# Altium PCB PiMX8MPIO_r0.1.PcbDoc (part 5 of 5)
Units mm, origin at the board's own origin, x right, y up, seen from the top; angles counter-clockwise.
Board outline 55 x 40 mm, 8 copper layers (L1 Top, L2 GND, L3 SIG, L4 GND, L5 (PWR), L6 SIG, L7 GND, L8 SIG), stack 1.624 mm thick; 131 components, 147 nets, 777 pads, 700 vias.
Unrouted connection lines stored in the file: 1.
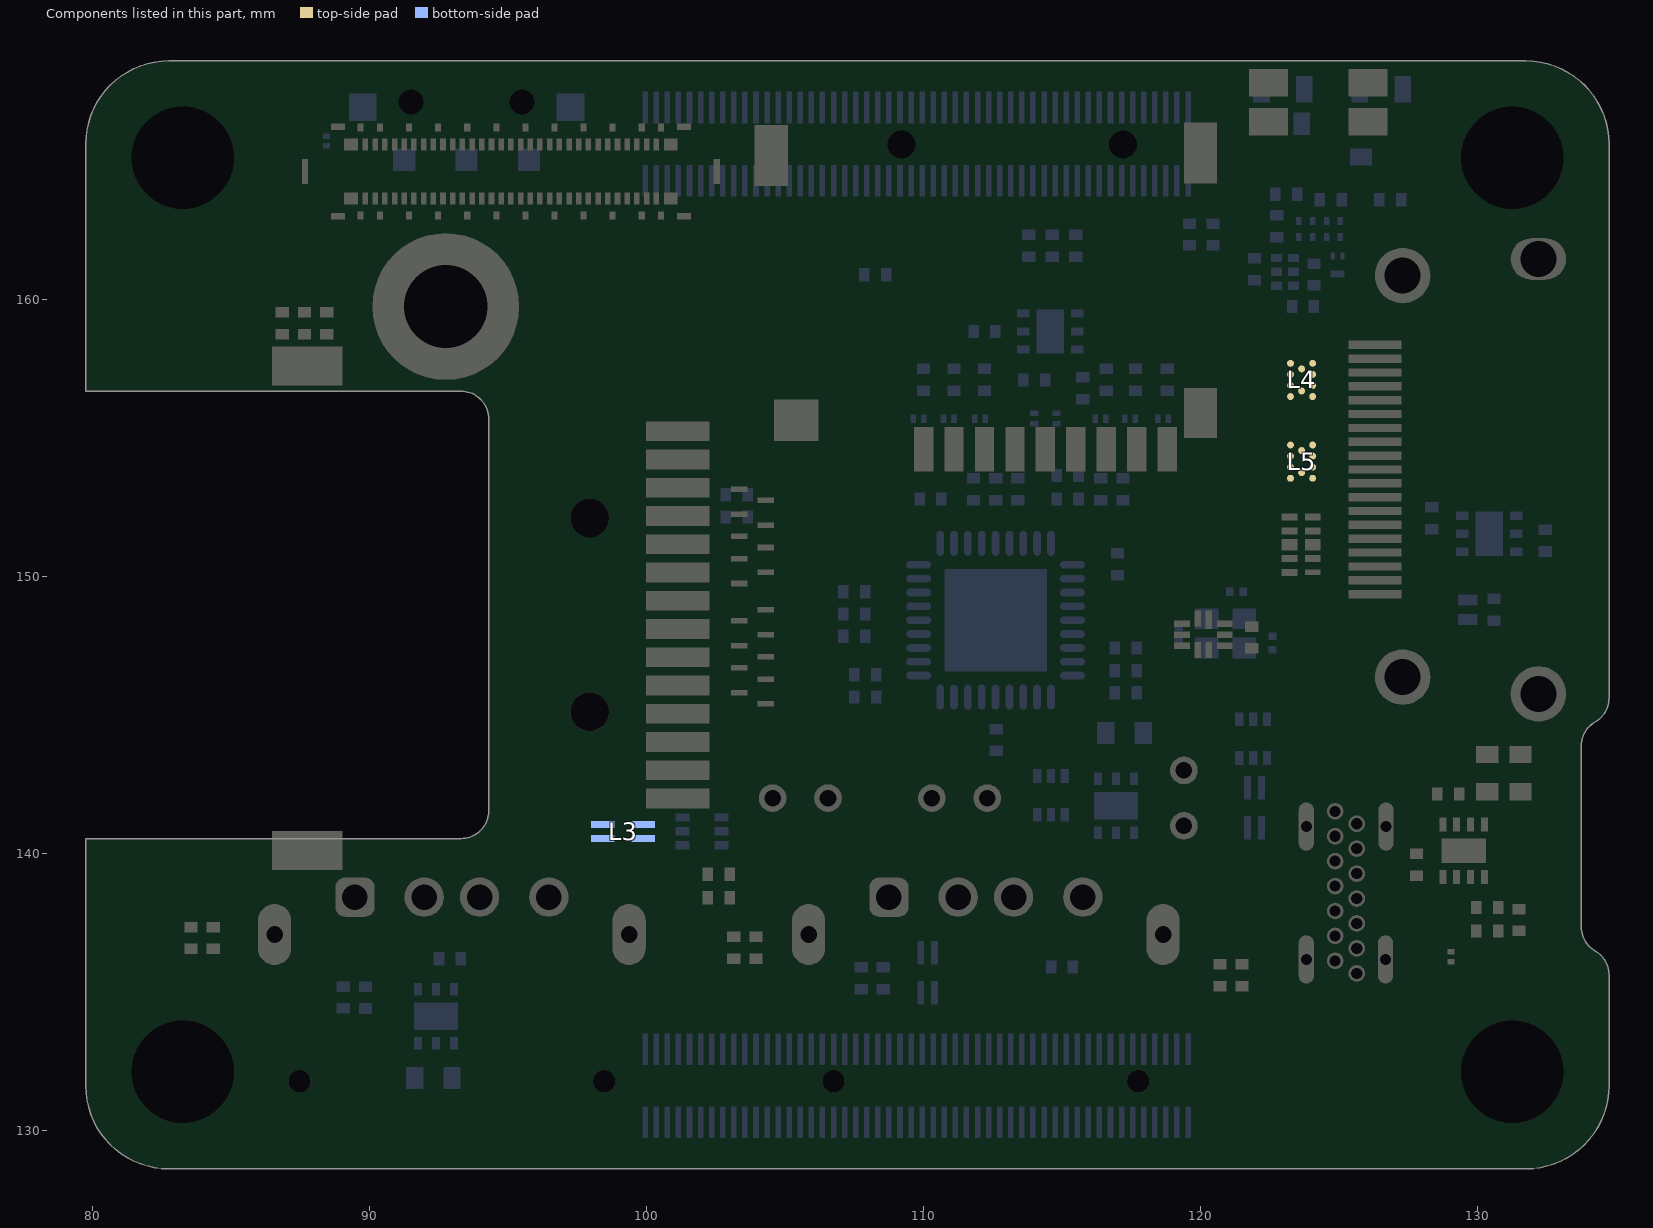
[diagram p11: the components of this part, seen from the top]

## Other copper (continued)
L3 SIG:
  text ".Layer_Name" at 75.177,31.05 h2.5
L6 SIG:
  text ".Layer_Name" at 75.177,31.05 h2.5
L7 GND:
  text ".Layer_Name" at 74.969,31.05 h2.5
L4 GND:
  text ".Layer_Name" at 74.969,31.05 h2.5
L5 (PWR):
  text ".Layer_Name" at 73.095,31.05 h2.5
L8 SIG:
  text ".Layer_Name" at 75.177,31.05 h2.5

## Silkscreen, mask and mechanical layers (free items; w line width, h text height)
Board Layer Stack Top Overlay:
  drawing of 21 lines, arcs and shapes, not listed
  text "PiMX8MPIO" at 112.261,150.768 h1
  text "REV0.1" at 112.261,149.767 h1
  text "20240922" at 112.261,148.768 h1
  text "OV Tech GmbH" at 112.261,147.767 h1
Top Paste:
  text ".Layer_Name" at 71.428,31.467 h2.5
Bottom Paste:
  text ".Layer_Name" at 68.096,31.05 h2.5
Top Solder:
  text ".Layer_Name" at 70.387,31.467 h2.5
Bottom Solder:
  text ".Layer_Name" at 67.055,31.05 h2.5
Outline:
  lines w0.1: 123.95,168.613 123.4,168.613 108.838,168.613 104.901,168.613 82.75,168.613 ccw(c82.751,165.611) 79.75,165.613 79.75,156.688 93.3,156.688 cw(c93.3,155.688) 93.961,156.438 cw(c93.3,155.688) 94.3,155.688 94.3,141.538 cw(c93.3,141.538) 93.961,140.788 cw(c93.3,141.538) 93.3,140.538 79.75,140.538 79.75,131.613 ccw(c82.751,131.614) 82.75,128.613 86.42,128.613 99.52,128.613 105.7,128.613 118.8,128.613 123.67,128.613 126.83,128.613 131.75,128.613 ccw(c131.749,131.614) 134.75,131.613 134.75,135.613 ccw(c133.75,135.613) 134.25,136.479 cw(c134.75,137.345) 133.75,137.345 133.75,143.88 cw(c134.75,143.88) 134.25,144.746 ccw(c133.75,145.613) 134.75,145.613 134.75,146.113 134.75,161.113 134.75,165.613 ccw(c131.749,165.611) 131.75,168.613 125.1,168.613 124.55,168.613 ; 124,168.613 124.5,168.613
  text ".Layer_Name" at 73.994,31.05 h2.5
Drill Drawing:
  drawing of 312 lines, arcs and shapes, not listed
  text "Symbol" at 38.476,121.55 h0.92
  text "Count" at 45.038,121.55 h0.92
  text "Hole Size" at 52.779,121.55 h0.92
  text "Plated" at 67.576,121.55 h0.92
  text "Hole Type" at 74.138,121.55 h0.92
  text "Drill Layer Pair" at 83.624,121.55 h0.92
  text "Via/Pad" at 98.961,121.55 h0.92
  text "Pad Shape" at 106.6,121.55 h0.92
  text "Template" at 116.24,121.55 h0.92
  text "Hole Tolerance (+)" at 131.038,121.55 h0.92
  text "Hole Length" at 148.222,121.55 h0.92
  text "Routed Path Length" at 162.249,121.55 h0.92
  text "700" at 45.038,119.625 h0.77
  text "0.200mm (7.87mil)" at 52.779,119.625 h0.77
  text "PTH" at 67.576,119.625 h0.77
  text "Round" at 74.138,119.625 h0.77
  text "L1 Top - L8 SIG" at 83.624,119.625 h0.77
  text "Via" at 98.961,119.625 h0.77
  text "Rounded" at 106.6,119.625 h0.77
  text "(Mixed)" at 116.24,119.625 h0.77
  text "-" at 148.222,119.625 h0.77
  text "-" at 162.249,119.625 h0.77
  text "14" at 45.038,117.7 h0.77
  text "0.400mm (15.75mil)" at 52.779,117.7 h0.77
  text "PTH" at 67.576,117.7 h0.77
  text "Round" at 74.138,117.7 h0.77
  text "L1 Top - L8 SIG" at 83.624,117.7 h0.77
  text "Pad" at 98.961,117.7 h0.77
  text "Rounded" at 106.6,117.7 h0.77
  text "c60h40" at 116.24,117.7 h0.77
  text "-" at 148.222,117.7 h0.77
  text "-" at 162.249,117.7 h0.77
  text "8" at 45.038,115.775 h0.77
  text "0.920mm (36.22mil)" at 52.779,115.775 h0.77
  text "PTH" at 67.576,115.775 h0.77
  text "Round" at 74.138,115.775 h0.77
  text "L1 Top - L8 SIG" at 83.624,115.775 h0.77
  text "Pad" at 98.961,115.775 h0.77
  text "(Mixed)" at 106.6,115.775 h0.77
  text "(Mixed)" at 116.24,115.775 h0.77
  text "-" at 148.222,115.775 h0.77
  text "-" at 162.249,115.775 h0.77
  text "6" at 45.038,113.85 h0.77
  text "0.600mm (23.62mil)" at 52.779,113.85 h0.77
  text "PTH" at 67.576,113.85 h0.77
  text "Round" at 74.138,113.85 h0.77
  text "L1 Top - L8 SIG" at 83.624,113.85 h0.77
  text "Pad" at 98.961,113.85 h0.77
  text "Rounded" at 106.6,113.85 h0.77
  text "c100h60" at 116.24,113.85 h0.77
  text "-" at 148.222,113.85 h0.77
  text "-" at 162.249,113.85 h0.77
  text "4" at 45.038,111.925 h0.77
  text "0.400mm (15.75mil)" at 52.779,111.925 h0.77
  text "PTH" at 67.576,111.925 h0.77
  text "Slot" at 74.138,111.925 h0.77
  text "L1 Top - L8 SIG" at 83.624,111.925 h0.77
  text "Pad" at 98.961,111.925 h0.77
  text "Rounded" at 106.6,111.925 h0.77
  text "r175_55h40_160r28" at 116.24,111.925 h0.77
  text "1.600mm (62.99mil)" at 148.222,111.925 h0.77
  text "1.200mm (47.24mil)" at 162.249,111.925 h0.77
  text "4" at 45.038,110 h0.77
  text "0.600mm (23.62mil)" at 52.779,110 h0.77
  text "PTH" at 67.576,110 h0.77
  text "Slot" at 74.138,110 h0.77
  text "L1 Top - L8 SIG" at 83.624,110 h0.77
  text "Pad" at 98.961,110 h0.77
  text "Rounded" at 106.6,110 h0.77
  text "r120_220h60_160r60" at 116.24,110 h0.77
  text "1.600mm (62.99mil)" at 148.222,110 h0.77
  text "1.000mm (39.37mil)" at 162.249,110 h0.77
  text "4" at 45.038,108.075 h0.77
  text "0.800mm (31.50mil)" at 52.779,108.075 h0.77
  text "NPTH" at 67.576,108.075 h0.77
  text "Round" at 74.138,108.075 h0.77
  text "L1 Top - L8 SIG" at 83.624,108.075 h0.77
  text "Pad" at 98.961,108.075 h0.77
  text "Rounded" at 106.6,108.075 h0.77
  text "c80hn80" at 116.24,108.075 h0.77
  text "-" at 148.222,108.075 h0.77
  text "-" at 162.249,108.075 h0.77
  text "4" at 45.038,106.15 h0.77
  text "1.300mm (51.18mil)" at 52.779,106.15 h0.77
  text "PTH" at 67.576,106.15 h0.77
  text "Round" at 74.138,106.15 h0.77
  text "L1 Top - L8 SIG" at 83.624,106.15 h0.77
  text "Pad" at 98.961,106.15 h0.77
  text "Rounded" at 106.6,106.15 h0.77
  text "(Mixed)" at 116.24,106.15 h0.77
  text "-" at 148.222,106.15 h0.77
  text "-" at 162.249,106.15 h0.77
  text "4" at 45.038,104.225 h0.77
  text "3.700mm (145.67mil)" at 52.779,104.225 h0.77
  text "NPTH" at 67.576,104.225 h0.77
  text "Round" at 74.138,104.225 h0.77
  text "L1 Top - L8 SIG" at 83.624,104.225 h0.77
  text "Pad" at 98.961,104.225 h0.77
  text "Rounded" at 106.6,104.225 h0.77
  text "(Mixed)" at 116.24,104.225 h0.77
  text "-" at 148.222,104.225 h0.77
  text "-" at 162.249,104.225 h0.77
  text "2" at 45.038,102.3 h0.77
  text "0.900mm (35.43mil)" at 52.779,102.3 h0.77
  text "NPTH" at 67.576,102.3 h0.77
  text "Round" at 74.138,102.3 h0.77
  text "L1 Top - L8 SIG" at 83.624,102.3 h0.77
  text "Pad" at 98.961,102.3 h0.77
  text "Rounded" at 106.6,102.3 h0.77
  text "c0hn90(Tol10)" at 116.24,102.3 h0.77
  text "0.100mm (3.94mil)" at 131.038,102.3 h0.77
  text "-" at 148.222,102.3 h0.77
  text "-" at 162.249,102.3 h0.77
  text "2" at 45.038,100.375 h0.77
  text "1.000mm (39.37mil)" at 52.779,100.375 h0.77
  text "PTH" at 67.576,100.375 h0.77
  text "Round" at 74.138,100.375 h0.77
  text "L1 Top - L8 SIG" at 83.624,100.375 h0.77
  text "Pad" at 98.961,100.375 h0.77
  text "Rounded" at 106.6,100.375 h0.77
  text "c0h100" at 116.24,100.375 h0.77
  text "-" at 148.222,100.375 h0.77
  text "-" at 162.249,100.375 h0.77
  text "2" at 45.038,98.45 h0.77
  text "1.400mm (55.12mil)" at 52.779,98.45 h0.77
  text "NPTH" at 67.576,98.45 h0.77
  text "Round" at 74.138,98.45 h0.77
  text "L1 Top - L8 SIG" at 83.624,98.45 h0.77
  text "Pad" at 98.961,98.45 h0.77
  text "Rounded" at 106.6,98.45 h0.77
  text "c140hn140" at 116.24,98.45 h0.77
  text "-" at 148.222,98.45 h0.77
  text "-" at 162.249,98.45 h0.77
  text "1" at 45.038,96.525 h0.77
  text "3.000mm (118.11mil)" at 52.779,96.525 h0.77
  text "PTH" at 67.576,96.525 h0.77
  text "Round" at 74.138,96.525 h0.77
  text "L1 Top - L8 SIG" at 83.624,96.525 h0.77
  text "Pad" at 98.961,96.525 h0.77
  text "Rounded" at 106.6,96.525 h0.77
  text "c530h300" at 116.24,96.525 h0.77
  text "-" at 148.222,96.525 h0.77
  text "-" at 162.249,96.525 h0.77
  text "755 Total" at 45.038,94.6 h0.77
  text "Slot definitions :" at 38.476,92.696 h0.77
  text "Routed Path Length" at 51.79,92.696 h0.77
  text "= Calculated from tool start centre position to tool end centre position." at 66.002,92.696 h0.77
  text "Hole Length" at 51.79,91.37 h0.77
  text "= Routed Path Length + Tool Size = Slot length as defined in the PCB layout" at 60.742,91.37 h0.77
  text "Symbol" at -6.442,-50.056 h1.5
  text "Count" at 3.911,-50.056 h1.5
  text "Hole Size" at 16.291,-50.056 h1.5
  text "Plated" at 40.125,-50.056 h1.5
  text "Hole Type" at 50.478,-50.056 h1.5
  text "Drill Layer Pair" at 65.579,-50.056 h1.5
  text "Via/Pad" at 90.176,-50.056 h1.5
  text "Pad Shape" at 102.278,-50.056 h1.5
  text "Template" at 117.629,-50.056 h1.5
  text "Hole Tolerance (+)" at 141.464,-50.056 h1.5
  text "Hole Length" at 169.061,-50.056 h1.5
  text "Routed Path Length" at 191.646,-50.056 h1.5
  text "700" at 3.911,-53.181 h1.25
  text "0.200mm (7.87mil)" at 16.291,-53.181 h1.25
  text "PTH" at 40.125,-53.181 h1.25
  text "Round" at 50.478,-53.181 h1.25
  text "L1 Top - L8 SIG" at 65.579,-53.181 h1.25
  text "Via" at 90.176,-53.181 h1.25
  text "Rounded" at 102.278,-53.181 h1.25
  text "(Mixed)" at 117.629,-53.181 h1.25
  text "-" at 169.061,-53.181 h1.25
  text "-" at 191.646,-53.181 h1.25
  text "14" at 3.911,-56.306 h1.25
  text "0.400mm (15.75mil)" at 16.291,-56.306 h1.25
  text "PTH" at 40.125,-56.306 h1.25
  text "Round" at 50.478,-56.306 h1.25
  text "L1 Top - L8 SIG" at 65.579,-56.306 h1.25
  text "Pad" at 90.176,-56.306 h1.25
  text "Rounded" at 102.278,-56.306 h1.25
  text "c60h40" at 117.629,-56.306 h1.25
  text "-" at 169.061,-56.306 h1.25
  text "-" at 191.646,-56.306 h1.25
  text "4" at 3.911,-59.431 h1.25
  text "0.400mm (15.75mil)" at 16.291,-59.431 h1.25
  text "PTH" at 40.125,-59.431 h1.25
  text "Slot" at 50.478,-59.431 h1.25
  text "L1 Top - L8 SIG" at 65.579,-59.431 h1.25
  text "Pad" at 90.176,-59.431 h1.25
  text "Rounded" at 102.278,-59.431 h1.25
  text "r175_55h40_160r28" at 117.629,-59.431 h1.25
  text "1.600mm (62.99mil)" at 169.061,-59.431 h1.25
  text "1.200mm (47.24mil)" at 191.646,-59.431 h1.25
  text "6" at 3.911,-62.556 h1.25
  text "0.600mm (23.62mil)" at 16.291,-62.556 h1.25
  text "PTH" at 40.125,-62.556 h1.25
  text "Round" at 50.478,-62.556 h1.25
  text "L1 Top - L8 SIG" at 65.579,-62.556 h1.25
  text "Pad" at 90.176,-62.556 h1.25
  text "Rounded" at 102.278,-62.556 h1.25
  text "c100h60" at 117.629,-62.556 h1.25
  text "-" at 169.061,-62.556 h1.25
  text "-" at 191.646,-62.556 h1.25
  text "4" at 3.911,-65.681 h1.25
  text "0.600mm (23.62mil)" at 16.291,-65.681 h1.25
  text "PTH" at 40.125,-65.681 h1.25
  text "Slot" at 50.478,-65.681 h1.25
  text "L1 Top - L8 SIG" at 65.579,-65.681 h1.25
  text "Pad" at 90.176,-65.681 h1.25
  text "Rounded" at 102.278,-65.681 h1.25
  text "r120_220h60_160r60" at 117.629,-65.681 h1.25
  text "1.600mm (62.99mil)" at 169.061,-65.681 h1.25
  text "1.000mm (39.37mil)" at 191.646,-65.681 h1.25
  text "4" at 3.911,-68.806 h1.25
  text "0.800mm (31.50mil)" at 16.291,-68.806 h1.25
  text "NPTH" at 40.125,-68.806 h1.25
  text "Round" at 50.478,-68.806 h1.25
  text "L1 Top - L8 SIG" at 65.579,-68.806 h1.25
  text "Pad" at 90.176,-68.806 h1.25
  text "Rounded" at 102.278,-68.806 h1.25
  text "c80hn80" at 117.629,-68.806 h1.25
  text "-" at 169.061,-68.806 h1.25
  text "-" at 191.646,-68.806 h1.25
  text "8" at 3.911,-71.931 h1.25
  text "0.920mm (36.22mil)" at 16.291,-71.931 h1.25
  text "PTH" at 40.125,-71.931 h1.25
  text "Round" at 50.478,-71.931 h1.25
  text "L1 Top - L8 SIG" at 65.579,-71.931 h1.25
  text "Pad" at 90.176,-71.931 h1.25
  text "(Mixed)" at 102.278,-71.931 h1.25
  text "(Mixed)" at 117.629,-71.931 h1.25
  text "-" at 169.061,-71.931 h1.25
  text "-" at 191.646,-71.931 h1.25
  text "2" at 3.911,-75.056 h1.25
  text "1.000mm (39.37mil)" at 16.291,-75.056 h1.25
  text "PTH" at 40.125,-75.056 h1.25
  text "Round" at 50.478,-75.056 h1.25
  text "L1 Top - L8 SIG" at 65.579,-75.056 h1.25
  text "Pad" at 90.176,-75.056 h1.25
  text "Rounded" at 102.278,-75.056 h1.25
  text "c0h100" at 117.629,-75.056 h1.25
  text "-" at 169.061,-75.056 h1.25
  text "-" at 191.646,-75.056 h1.25
  text "4" at 3.911,-78.181 h1.25
  text "1.300mm (51.18mil)" at 16.291,-78.181 h1.25
  text "PTH" at 40.125,-78.181 h1.25
  text "Round" at 50.478,-78.181 h1.25
  text "L1 Top - L8 SIG" at 65.579,-78.181 h1.25
  text "Pad" at 90.176,-78.181 h1.25
  text "Rounded" at 102.278,-78.181 h1.25
  text "(Mixed)" at 117.629,-78.181 h1.25
  text "-" at 169.061,-78.181 h1.25
  text "-" at 191.646,-78.181 h1.25
  text "2" at 3.911,-81.306 h1.25
  text "1.400mm (55.12mil)" at 16.291,-81.306 h1.25
  text "NPTH" at 40.125,-81.306 h1.25
  text "Round" at 50.478,-81.306 h1.25
  text "L1 Top - L8 SIG" at 65.579,-81.306 h1.25
  text "Pad" at 90.176,-81.306 h1.25
  text "Rounded" at 102.278,-81.306 h1.25
  text "c140hn140" at 117.629,-81.306 h1.25
  text "-" at 169.061,-81.306 h1.25
  text "-" at 191.646,-81.306 h1.25
  text "1" at 3.911,-84.431 h1.25
  text "3.000mm (118.11mil)" at 16.291,-84.431 h1.25
  text "PTH" at 40.125,-84.431 h1.25
  text "Round" at 50.478,-84.431 h1.25
  text "L1 Top - L8 SIG" at 65.579,-84.431 h1.25
  text "Pad" at 90.176,-84.431 h1.25
  text "Rounded" at 102.278,-84.431 h1.25
  text "c530h300" at 117.629,-84.431 h1.25
  text "-" at 169.061,-84.431 h1.25
  text "-" at 191.646,-84.431 h1.25
  text "4" at 3.911,-87.556 h1.25
  text "3.700mm (145.67mil)" at 16.291,-87.556 h1.25
  text "NPTH" at 40.125,-87.556 h1.25
  text "Round" at 50.478,-87.556 h1.25
  text "L1 Top - L8 SIG" at 65.579,-87.556 h1.25
  text "Pad" at 90.176,-87.556 h1.25
  text "Rounded" at 102.278,-87.556 h1.25
  text "(Mixed)" at 117.629,-87.556 h1.25
  text "-" at 169.061,-87.556 h1.25
  text "-" at 191.646,-87.556 h1.25
  text "2" at 3.911,-90.681 h1.25
  text "0.900mm (35.43mil)" at 16.291,-90.681 h1.25
  text "NPTH" at 40.125,-90.681 h1.25
  text "Round" at 50.478,-90.681 h1.25
  text "L1 Top - L8 SIG" at 65.579,-90.681 h1.25
  text "Pad" at 90.176,-90.681 h1.25
  text "Rounded" at 102.278,-90.681 h1.25
  text "c0hn90(Tol10)" at 117.629,-90.681 h1.25
  text "0.100mm (3.94mil)" at 141.464,-90.681 h1.25
  text "-" at 169.061,-90.681 h1.25
  text "-" at 191.646,-90.681 h1.25
  text "755 Total" at 3.911,-93.806 h1.25
  text "Slot definitions :" at -6.442,-96.71 h1.25
  text "Routed Path Length" at 14.909,-96.71 h1.25
  text "= Calculated from tool start centre position to tool end centre position." at 37.718,-96.71 h1.25
  text "Hole Length" at 14.909,-98.676 h1.25
  text "= Routed Path Length + Tool Size = Slot length as defined in the PCB layout" at 29.179,-98.676 h1.25
Fab Notes (Mech31):
  drawing of 660 lines, arcs and shapes, not listed
  text "1" at 33.438,288.195 h2.5
  text "2" at 80.522,288.195 h2.5
  text "3" at 128.022,288.195 h2.5
  text "4" at 175.522,288.195 h2.5
  text "A" at 11.772,266.78 h2.5
  text "A" at 196.822,255.78 h2.5
  text "Fabrication Notes" at 143.753,255.103 h1.2
  text "- Board supplier: JLCPCB" at 143.703,253.336 h1
  text "- Standard Board Stackup: JLC08161H-1080A" at 143.703,251.936 h1
  text "Layer stack table" at 37.681,251.927 h2.54
  text "Layer" at 38.97,248.462 h1.39
  text "Name" at 48.54,248.462 h1.39
  text "Material" at 91.332,248.462 h1.39
  text "Thickness" at 130.407,248.462 h1.39
  text "Constant" at 145.552,248.462 h1.39
  text "Board Layer Stack" at 158.839,248.462 h1.39
  text "Board Layer Stack Top Overlay" at 48.54,245.673 h1.39
  text "Top Solder" at 48.54,242.885 h1.39
  text "SM-001" at 91.332,242.885 h1.39
  text "0.030mm" at 130.407,242.885 h1.39
  text "3.8" at 145.552,242.885 h1.39
  text "1" at 38.97,240.096 h1.39
  text "L1 Top" at 48.54,240.096 h1.39
  text "CF-004" at 91.332,240.096 h1.39
  text "0.035mm" at 130.407,240.096 h1.39
  text "Dielectric 1" at 48.54,237.307 h1.39
  text "1080 RC67% 3.3mil" at 91.332,237.307 h1.39
  text "0.076mm" at 130.407,237.307 h1.39
  text "3.91" at 145.552,237.307 h1.39
  text "2" at 38.97,234.518 h1.39
  text "L2 GND" at 48.54,234.518 h1.39
  text "CF-004" at 91.332,234.518 h1.39
  text "0.015mm" at 130.407,234.518 h1.39
  text "Dielectric 2" at 48.54,231.729 h1.39
  text "0.10mm H/HOZ without copper" at 91.332,231.729 h1.39
  text "0.100mm" at 130.407,231.729 h1.39
  text "4.36" at 145.552,231.729 h1.39
  text "3" at 38.97,228.941 h1.39
  text "L3 SIG" at 48.54,228.941 h1.39
  text "CF-004" at 91.332,228.941 h1.39
  text "0.015mm" at 130.407,228.941 h1.39
  text "Dielectric 3" at 48.54,226.152 h1.39
  text "7628, RC 49%, 8.6 mil" at 91.332,226.152 h1.39
  text "0.210mm" at 130.407,226.152 h1.39
  text "4.4" at 145.552,226.152 h1.39
  text "Dielectric 4" at 48.54,223.363 h1.39
  text "1080 RC67% 3.3mil" at 91.332,223.363 h1.39
  text "0.084mm" at 130.407,223.363 h1.39
  text "3.91" at 145.552,223.363 h1.39
  text "Dielectric 5" at 48.54,220.574 h1.39
  text "7628, RC 49%, 8.6 mil" at 91.332,220.574 h1.39
  text "0.210mm" at 130.407,220.574 h1.39
  text "4.4" at 145.552,220.574 h1.39
  text "B" at 11.772,218.95 h2.5
  text "B" at 196.772,218.95 h2.5
  text "4" at 38.97,217.785 h1.39
  text "L4 GND" at 48.54,217.785 h1.39
  text "CF-004" at 91.332,217.785 h1.39
  text "0.015mm" at 130.407,217.785 h1.39
  text "Dielectric 6" at 48.54,214.996 h1.39
  text "0.10mm H/HOZ without copper" at 91.332,214.996 h1.39
  text "0.100mm" at 130.407,214.996 h1.39
  text "4.36" at 145.552,214.996 h1.39
  text "5" at 38.97,212.208 h1.39
  text "L5 (PWR)" at 48.54,212.208 h1.39
  text "CF-004" at 91.332,212.208 h1.39
  text "0.015mm" at 130.407,212.208 h1.39
  text "Dielectric 7" at 48.54,209.419 h1.39
  text "7628, RC 49%, 8.6 mil" at 91.332,209.419 h1.39
  text "0.210mm" at 130.407,209.419 h1.39
  text "4.4" at 145.552,209.419 h1.39
  text "Dielectric 8" at 48.54,206.63 h1.39
  text "1080 RC67% 3.3mil" at 91.332,206.63 h1.39
  text "0.084mm" at 130.407,206.63 h1.39
  text "3.91" at 145.552,206.63 h1.39
  text "Dielectric 9" at 48.54,203.841 h1.39
  text "7628, RC 49%, 8.6 mil" at 91.332,203.841 h1.39
  text "0.210mm" at 130.407,203.841 h1.39
  text "4.4" at 145.552,203.841 h1.39
  text "6" at 38.97,201.052 h1.39
  text "L6 SIG" at 48.54,201.052 h1.39
  text "CF-004" at 91.332,201.052 h1.39
  text "0.015mm" at 130.407,201.052 h1.39
  text "Dielectric 10" at 48.54,198.264 h1.39
  text "0.10mm H/HOZ without copper" at 91.332,198.264 h1.39
  text "0.100mm" at 130.407,198.264 h1.39
  text "4.36" at 145.552,198.264 h1.39
  text "7" at 38.97,195.475 h1.39
  text "L7 GND" at 48.54,195.475 h1.39
  text "CF-004" at 91.332,195.475 h1.39
  text "0.015mm" at 130.407,195.475 h1.39
  text "Dielectric 11" at 48.54,192.686 h1.39
  text "1080 RC67% 3.3mil" at 91.332,192.686 h1.39
  text "0.076mm" at 130.407,192.686 h1.39
  text "3.91" at 145.552,192.686 h1.39
  text "8" at 38.97,189.897 h1.39
  text "L8 SIG" at 48.54,189.897 h1.39
  text "CF-004" at 91.332,189.897 h1.39
  text "0.035mm" at 130.407,189.897 h1.39
  text "Bottom Solder" at 48.54,187.108 h1.39
  text "SM-001" at 91.332,187.108 h1.39
  text "0.030mm" at 130.407,187.108 h1.39
  text "3.8" at 145.552,187.108 h1.39
  text "Bottom Overlay" at 48.54,184.32 h1.39
  text "Total board thickness:" at 38.97,181.531 h1.39
  text "1.684mm" at 130.407,181.531 h1.39
  text "C" at 11.772,171.1 h2.5
  text "C" at 196.772,171.1 h2.5
  text "!" at 45.75,151.05 h10
  text "Preliminary design - not fully validated. See schematic for details." at 41.5,139.75 h3
  text "D" at 11.772,123.27 h2.5
  text "D" at 196.772,123.27 h2.5
  text "E" at 11.772,75.44 h2.5
  text "E" at 196.772,75.44 h2.5
  text "TITLE" at 58.605,50.774 h1
  text ".Pcb_File_Name_No_Path" at 80.321,48.483 h2.5
  text "VARIANT" at 58.605,44.274 h1
  text "APPROVALS" at 111.69,42.32 h1.25
  text "DATE" at 138.564,42.32 h1.25
  text ".VariantName" at 66.276,41.278 h2
  text "LAYER NAME" at 58.605,37.774 h1
  text "DRAWN" at 106.105,37.774 h1
  text "2026-04-24" at 131.105,35.944 h2
  text "Thomas Ludemann" at 105.608,35.195 h1.5
  text "OV Tech GmbH" at 159.526,33.695 h2.5
  text "CHECKED" at 106.105,32.164 h1
  text "Am Weichselgarten 9" at 162.754,31.028 h1.25
  text "2026-04-24" at 131.105,30.334 h2
  text "Thomas Ludemann" at 106.108,29.695 h1.5
  text "91058 Erlangen" at 165.774,28.528 h1.25
  text "F" at 11.772,27.61 h2.5
  text "F" at 196.772,27.61 h2.5
  text "ENGINEER" at 106.105,26.554 h1
  text "Germany" at 169.94,26.528 h1.25
  text "2026-04-24" at 131.105,24.724 h2
  text "https://www.open-visions.com/" at 156.923,24.528 h1.25
  text "Thomas Ludemann" at 106.108,24.195 h1.5
  text "REV." at 153.605,20.944 h1
  text "SIZE" at 162.105,20.944 h1
  text "DATE" at 170.605,20.944 h1
  text "0.1" at 154.605,17.444 h2
  text "A4" at 163.105,17.444 h2
  text ".Print_Date" at 171.605,17.444 h2
  text "SCALE" at 153.605,14.444 h1
  text "PAGE" at 178.605,14.444 h1
  text ".Print_Scale" at 154.441,10.945 h2
  text "1 OF 1" at 181.44,10.945 h2
  text "Copy right 2026 OV Tech GmbH / This hardware design is licensed under the CERN Open Hardware Licence Version 2 - Strongly Reciprocal (CERN-OHL-S-2.0). You may redistribute and modify this design under the terms of the license. This design is provided \"as is\", without any warranties. See LICENSE file in the repository for full license details." at 58.1,10.539 h1
  text "1" at 33.438,6.195 h2.5
  text "2" at 80.522,6.195 h2.5
  text "3" at 128.022,6.195 h2.5
  text "4" at 175.522,6.195 h2.5

## Dimensions
134.75,137.345 to 136.55,137.95 on Outline
133.75,145.613 to 138.6,141.75 on Outline
93.3,141.538 to 84.9,142.7 on Outline
131.749,165.611 to 141.15,175 on Outline
131.75,168.613 to 131.75,128.613 on Outline
79.75,165.613 to 134.75,165.613 on Outline

## Text inside footprints (layer, text, board x,y; h text height)
J11: Top Assembly "PCB Cutout Area" at 86.86,155.812 h1.02 r270